# Altium PCB PCB.PcbDoc
Units mm, origin at the board's own origin, x right, y up, seen from the top; angles counter-clockwise.
Board outline 65 x 50 mm, 2 copper layers (Top Layer, Bottom Layer); 104 components, 73 nets, 355 pads, 371 vias.
Unrouted connection lines stored in the file: 2.
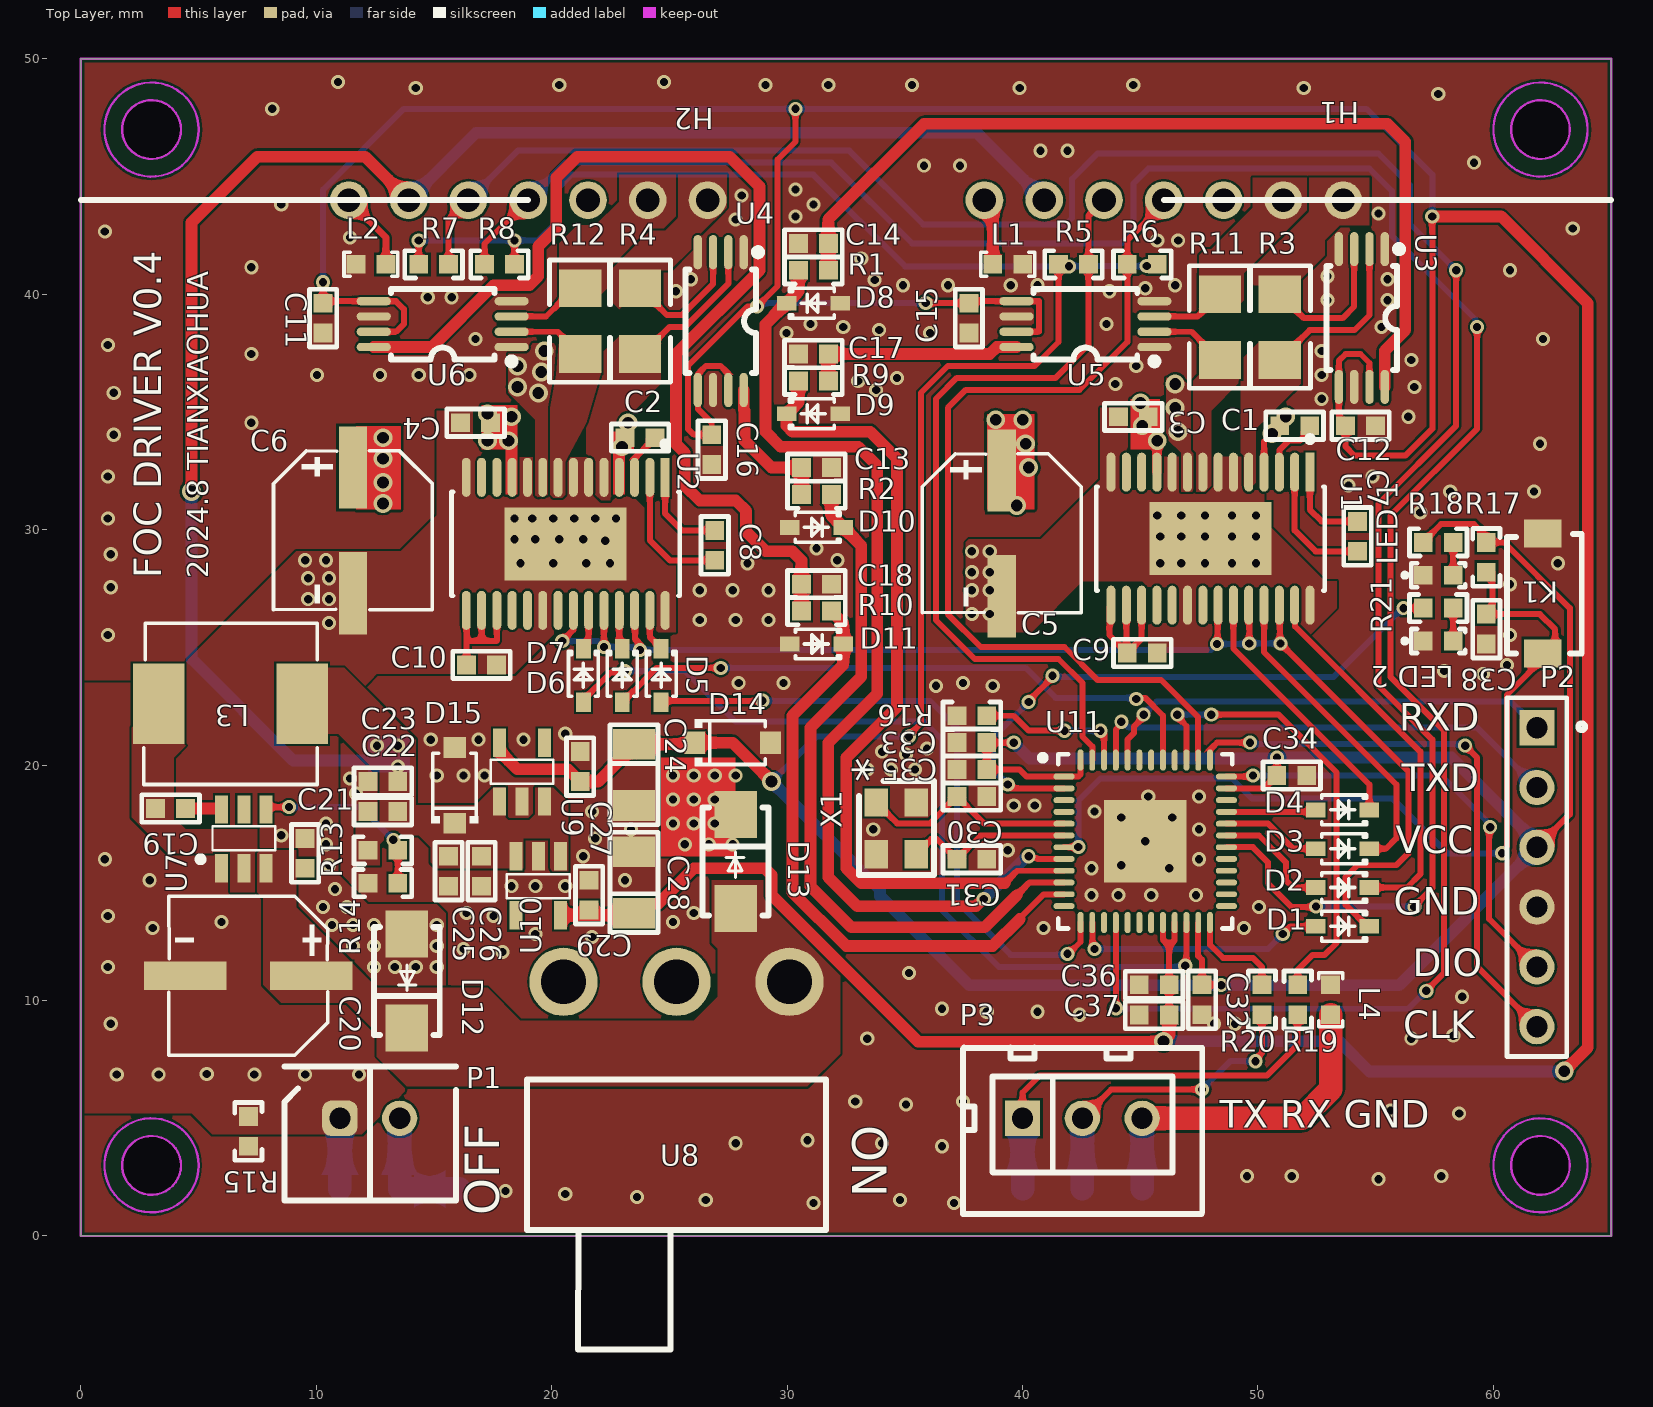
[diagram p0: Top Layer view]
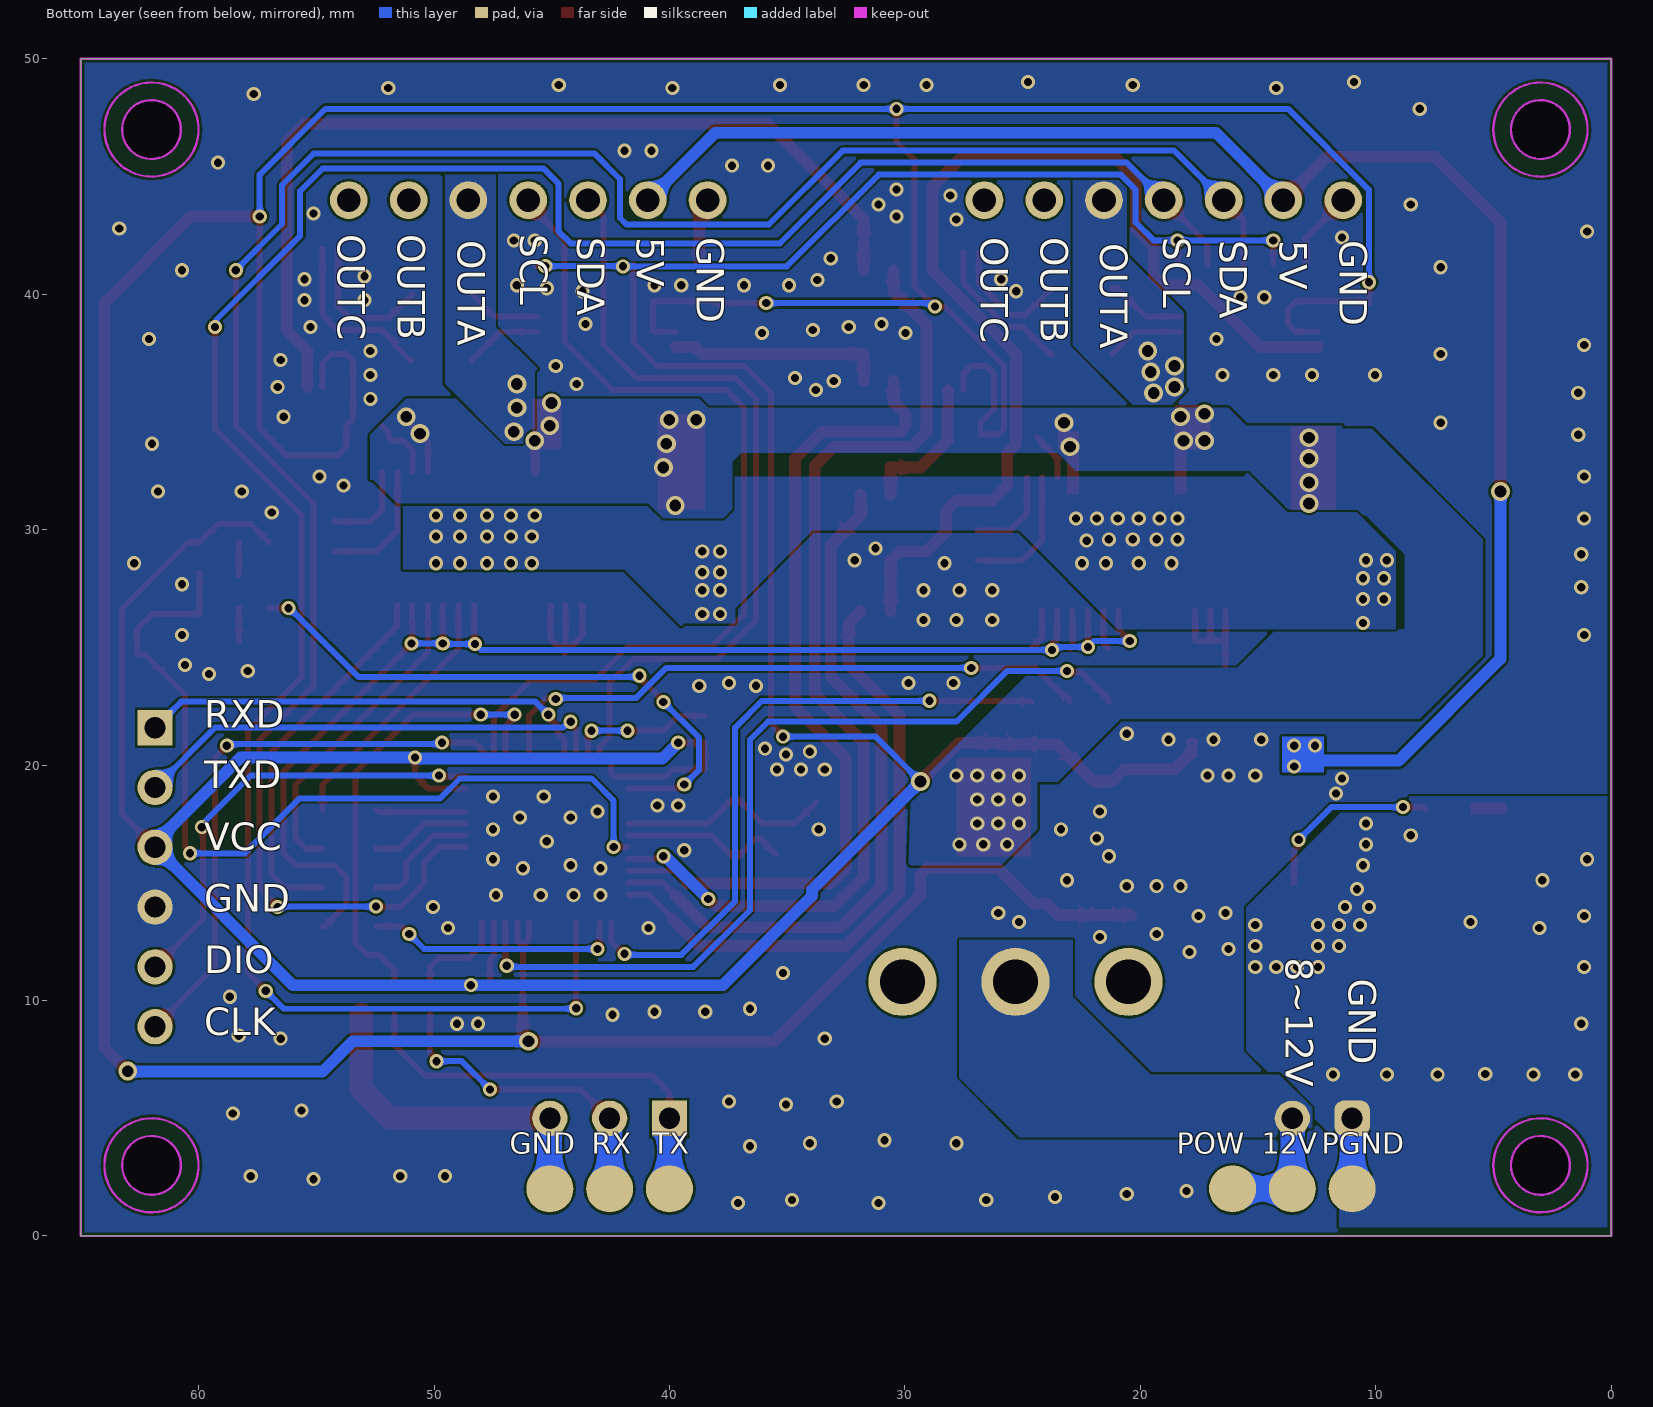
[diagram p1: Bottom Layer view, seen from below]

## Layer stack, top to bottom
Top Solder: solder mask 0.0102, Solder Resist, Dk 3.5
Top Layer: signal copper 0.0356
Dielectric 1: dielectric 0.32, FR-4, Dk 4.8
Bottom Layer: signal copper 0.0356
Bottom Solder: solder mask 0.0102, Solder Resist, Dk 3.5

## Board outline
0,0 0,50 65,50 65,0
cut-out: 60.75,47 ccw(c62,47) 62,45.75 ccw(c62,47) 63.25,47 ccw(c62,47) 62,48.25 ccw(c62,47)
cut-out: 60.75,3 ccw(c62,3) 62,1.75 ccw(c62,3) 63.25,3 ccw(c62,3) 62,4.25 ccw(c62,3)
cut-out: 60.75,3 ccw(c62,3) 62,1.75 ccw(c62,3) 63.25,3 ccw(c62,3) 62,4.25 ccw(c62,3)
cut-out: 60.75,3 ccw(c62,3) 62,1.75 ccw(c62,3) 63.25,3 ccw(c62,3) 62,4.25 ccw(c62,3)
cut-out: 1.75,3 ccw(c3,3) 3,1.75 ccw(c3,3) 4.25,3 ccw(c3,3) 3,4.25 ccw(c3,3)
cut-out: 1.75,47 ccw(c3,47) 3,45.75 ccw(c3,47) 4.25,47 ccw(c3,47) 3,48.25 ccw(c3,47)

## Design rules (kind name [scope] priority, off if disabled: settings)
Clearance [All] p1: gap=0.1 ignorepadtopadclearanceinfootprint=FALSE except(0: Arc-Hole Track-Hole SMDPad-Hole THPad-Hole Via-Hole Fill-Hole Poly-Hole Region-Hole Text-Hole; 0.102: Arc-Arc Arc-Track Arc-SMDPad Arc-THPad Track-Track Track-SMDPad Track-THPad SMDPad-SMDPad SMDPad-THPad THPad-THPad; 0.127: Arc-Via Track-Via SMDPad-Via SMDPad-Text THPad-Via Via-Via; 0.254: Arc-Text Track-Text THPad-Text Via-Text Fill-Text Poly-Text Region-Text Text-Text)
HoleSize [All] p1: absolutevalues=TRUE maxlimit=30 minlimit=0.025 maxpercent=80.000 minpercent=20.000
HoleToHoleClearance [All] p1: gap=0.152 allowstackedmicrovias=TRUE
MinimumSolderMaskSliver [All] p1: minsoldermaskwidth=0
PlaneClearance [All] p1: clearance=0.254
PlaneConnect [All] p1: planeconnectstyle=Direct reliefexpansion=0.508 reliefentries=4 reliefconductorwidth=0.254 reliefairgap=0.254
PolygonConnect [All] p1: connectstyle=Direct reliefconductorwidth=0.254 reliefentries=4 polygonreliefangle="90 Angle" airgapwidth=0.254
RoutingVias [All] p1: holewidth=0.711 width=1.27 viastyle="Through Hole" minholewidth=0.3 minwidth=0.5 maxholewidth=30 maxwidth=30
SilkToSilkClearance [All] p1: silktosilkclearance=0
SilkToSolderMaskClearance [IsPad] p1: minsilkscreentomaskgap=0 clearancetoexposedcopper=TRUE
SolderMaskExpansion [All] p1: expansion=0.102 istentingtop=FALSE
Width [All] p1: maxlimit=3 minlimit=0.1 preferedwidth=0.254
23 further rules are at their usual default settings.

## Classes and differential pairs
component class Sheet0-MCU: C30 C31 C32 C33 C34 C35 C36 C37 C38 GND K1 L4 "LED 1" "LED 2" P2 P3 R16 R17 R18 R19 R20 R21 RX TX U11 X1
component class Sheet2-power: 12V C19 C20 C21 C22 C23 C24 C25 C26 C27 C28 C29 D12 D13 D14 D15 L3 P1 PGND POW R13 R14 R15 U7 U8 U9 U10
component class Sheet1-driver: C1 C2 C3 C4 C5 C6 C7 C8 C9 C10 C11 C12 C13 C14 C15 C16 C17 C18 D1 D2 D3 D4 D5 D6 D7 D8 D9 D10 D11 H1 H2 L1 L2 R1 R2 R3 R4 R5 R6 R7 R8 R9 R10 R11 R12 U1 U2 U3 U4 U5 U6

## Components (designator, comment, footprint, x,y, rotation, side; value= is the part's Value field where it differs from the comment)
12V "test" test#1 13.716,1.905 r180 bottom
C1 "100nF" CC1608-0603 51.562,34.417 r180 top
C2 "100nF" CC1608-0603 23.749,33.909 r180 top
C3 "100NF 50V" CC1608-0603 44.704,34.798 r180 top
C4 "100NF 50V" CC1608-0603 16.764,34.544 r180 top
C5 "35V 100uF" CAP-SMD_D6.3 39.116,29.845 r270 top
C6 "35V 100uF" CAP-SMD_D6.3 11.557,29.972 r270 top locked
C7 "0.01uF" CC1608-0603 54.229,29.718 r90 top
C8 "0.01uF" CC1608-0603 26.924,29.337 r90 top
C9 "0.47UF" CC1608-0603 45.085,24.765 r0 top
C10 "0.47UF" CC1608-0603 17.018,24.257 r0 top
C11 "100nF" CC1608-0603 10.287,38.989 r270 top
C12 "100nF" CC1608-0603 54.356,34.417 r0 top
C13 "2.2nF" CC1608-0603 31.242,32.639 r180 top
C14 "2.2nF" CC1608-0603 31.115,42.164 r0 top
C15 "100nF" CC1608-0603 37.719,38.989 r270 top
C16 "100nF" CC1608-0603 26.797,33.401 r270 top
C17 "2.2nF" CC1608-0603 31.115,37.465 r0 top
C18 "2.2nF" CC1608-0603 31.242,27.686 r180 top
C19 "100nF" CC1608-0603 3.81,18.161 r180 top
C20 "35V 100uF" CAP-SMD_D6.3 7.109,11.049 r180 top
C21 "100NF 50V" CC1608-0603 9.525,16.256 r270 top
C22 "22uf" CC1608-0603 12.827,18.034 r0 top
C23 "22uf" CC1608-0603 12.827,19.304 r0 top
C24 "22uF" TAN-A-1206 23.495,19.621 r270 top
C25 "2.2uf" CC1608-0603 15.621,15.494 r90 top
C26 "100nF" CC1608-0603 17.018,15.494 r90 top
C27 "100NF" CC1608-0603 21.209,19.939 r90 top
C28 "22uF" TAN-A-1206 23.495,14.986 r90 top
C29 "100NF" CC1608-0603 21.59,14.478 r90 top
C30 "20pF" CC1608-0603 37.846,18.669 r180 top
C31 "20pF" CC1608-0603 37.846,16.002 r180 top
C32 "100NF" CC1608-0603 47.625,10.033 r90 top
C33 "100NF" CC1608-0603 37.846,20.955 r0 top
C34 "100NF" CC1608-0603 51.435,19.558 r180 top
C35 "100NF" CC1608-0603 37.846,19.812 r0 top
C36 "100NF" CC1608-0603 45.593,10.668 r0 top
C37 "1uF" CC1608-0603 45.593,9.388 r0 top
C38 "1UF" CC1608-0603 59.7,25.781 r90 top
D1 "1N4148" SOD-323 53.594,13.155 r180 top
D2 "1N4148" SOD-323 53.594,14.802 r180 top
D3 "1N4148" SOD-323 53.594,16.45 r180 top
D4 "1N4148" SOD-323 53.594,18.098 r180 top
D5 "1N4148" SOD-323 24.648,23.812 r270 top
D6 "1N4148" SOD-323 22.997,23.812 r270 top
D7 "1N4148" SOD-323 21.346,23.812 r270 top
D8 "PESD3V3L1BA" SOD-323 31.115,39.624 r0 top
D9 "PESD3V3L1BA" SOD-323 31.115,34.925 r0 top
D10 "PESD3V3L1BA" SOD-323 31.242,30.099 r180 top
D11 "PESD3V3L1BA" SOD-323 31.245,25.146 r180 top
D12 "SMBJ24A" "DO-214 AA" 13.843,10.827 r90 top
D13 "SS34" "DO-214 AA" 27.813,15.907 r270 top
D14 "SMFJ5.0A" SOD-123 27.686,20.955 r0 top
D15 "SMFJ5.0A" SOD-123 15.875,19.136 r90 top
GND "test" test#2 45.339,1.778 r180 bottom
H1 "Header_7P_Curved" HEADER_2_54_7PW 53.62,44 r180 top locked
H2 "Header_7P_Curved" HEADER_2_54_7PW 26.62,44 r180 top locked
K1 "KEY 3*4" "KEY 3*4" 62.103,24.745 r90 top
L1 "68nH 200mA" Inductor-0603 39.37,41.275 r0 top
L2 "68nH 200mA" Inductor-0603 12.319,41.275 r180 top
L3 "15uH" Inductor-0630 6.35,22.606 r180 top locked
L4 "68nH 200mA" Inductor-0603 53.086,10.033 r90 top
"LED 1" "LED 0603" "LED 0603" 57.658,28.067 r180 top
"LED 2" "LED 0603" "LED 0603" 57.658,25.273 r180 top
P1 "Header 2" HX2.54-2 11,5 r0 top
P2 "Header 6" HDR1X6 61.849,21.59 r270 top
P3 "Header 3" HX2.54-3 40,5 r0 top
PGND "test" test#3 9.779,2.032 r180 bottom
POW "test" test#4 16.08,2 r180 bottom
R1 "22R" CR1608-0603 31.115,41.021 r0 top
R2 "22R" CR1608-0603 31.242,31.496 r180 top
R3 "0.01R" CR3216-1206 50.927,38.608 r270 top
R4 "0.01R" CR3216-1206 23.749,38.862 r270 top
R5 "4.7k/NC" CR1608-0603 42.164,41.275 r180 top
R6 "4.7k/NC" CR1608-0603 45.085,41.275 r0 top
R7 "4.7k/NC" CR1608-0603 14.986,41.275 r180 top
R8 "4.7k/NC" CR1608-0603 17.78,41.275 r0 top
R9 "22R" CR1608-0603 31.115,36.322 r0 top
R10 "22R" CR1608-0603 31.242,26.543 r180 top
R11 "0.01R" CR3216-1206 48.387,38.608 r270 top
R12 "0.01R" CR3216-1206 21.209,38.862 r270 top
R13 "100K 1%" CR1608-0603 12.827,16.383 r180 top
R14 "13.3K 1%" CR1608-0603 12.827,14.986 r0 top
R15 "0R" CR1608-0603 7.112,4.445 r90 top
R16 "10KR" CR1608-0603 37.846,22.098 r0 top
R17 "10K" CR1608-0603 59.7,28.829 r90 top
R18 "2K" CR1608-0603 57.658,29.464 r180 top
R19 "22R" CR1608-0603 51.689,10.033 r270 top
R20 "22R" CR1608-0603 50.165,10.033 r270 top
R21 "2K" CR1608-0603 57.658,26.67 r180 top
RX "test" test#5 42.418,1.651 r180 bottom
TX "test" test#6 39.497,1.27 r180 bottom
U1 "DRV8313PWPR" HTSSOP-28 47.982,29.622 r270 top
U2 "DRV8313PWPR" HTSSOP-28 20.594,29.4 r270 top
U3 "INA240A1PWR" TSSOP-8 54.412,38.995 r180 top
U4 "INA240A1PWR" TSSOP-8 27.178,38.862 r180 top locked
U5 "INA240A1PWR" TSSOP-8 42.672,38.735 r90 top
U6 "INA240A1PWR" TSSOP-8 15.367,38.735 r90 top locked
U7 "TPS54202DDCR" SOT23-6 6.858,16.891 r0 top
U8 "HX SS12D10G4" SW-TH_3P-SS12D06 25.299,10.795 r0 top locked
U9 "SPX3819M5-L-3.3/TR" SOT23-5 19.69,18.455 r180 top
U10 "SPX3819M5-L-3.3/TR" SOT23-5 18.476,16.129 r0 top
U11 "STM32G431CBU6" UFQFPN48_N 45.212,16.764 r0 top
X1 "3225_24M" XTAL-3225 35.482,18.415 r270 top

## Footprints (in the part's own frame and the unit in brackets; to place one, negate y for a bottom-side part, rotate by r counter-clockwise, add the part's x,y. Pads: shape width x height; smd on the part's side, far side on the other; paste and mask are expansions set on the pad)
CAP-SMD_D6.3 [mm] "直径6.3mm固态电容"
  rect 3.5x1.2 smd paste+0 mask+0.051: 1(-2.67,0) 2(2.67,0)
  silkscreen extent -3.38,-3.38 3.38,3.38, body extent -3.65,-3.3 3.65,3.3, height 5.9
CC1608-0603 [mm]
  rect 0.8x0.8 smd: 1(-0.635,0) 2(0.635,0)
  silkscreen extent -1.23,-0.58 1.23,0.58, body extent -0.8,-0.4 0.8,0.4, height 0.3
CR1608-0603 [mm]
  rect 0.8x0.8 smd: 1(-0.635,0) 2(0.635,0)
  silkscreen extent -1.23,-0.58 1.23,0.58, body extent -0.8,-0.4 0.8,0.4, height 0.45
CR3216-1206 [mm]
  rect 1.6x1.8 smd: 1(-1.4,0) 2(1.4,0)
  silkscreen extent -2.6,-1.3 2.6,1.3, body extent -1.6,-0.8 1.6,0.8, height 0.6
"DO-214 AA" [mm] "SMB"
  rect 2x1.8 smd: 1(-2,0) 2(2,0)
  silkscreen extent -2.3,-1.4 2.3,1.4, body extent -2.83,-1.8 2.57,1.8, height 2.4
HDR1X6 [mm] "Connector; Header; 6 Position"
  rect 1.5x1.5 hole 0.9: 1(0,0)
  round 1.5 hole 0.9: 2(2.54,0) 3(5.08,0) 4(7.62,0) 5(10.16,0) 6(12.7,0)
  silkscreen extent -1.27,-1.27 13.97,2.04, body extent -1.27,-1.27 13.97,1.27, height 8.54
HEADER_2_54_7PW [mm] "6P弯针"
  round 1.6 hole 1: 1(0,0) 2(2.54,0) 3(5.08,0) 4(7.62,0) 5(10.16,0) 6(12.7,0) 7(15.24,0)
  body extent -2.54,-7.48 17.78,0.37, height 5.8
HTSSOP-28 [mm]
  rect 1.655x0.381 smd paste+0 mask+0: 1(-2.825,4.225)
  rrect100% 1.655x0.381 smd paste+0 mask+0: 2(-2.825,3.575) 3(-2.825,2.925) 4(-2.825,2.275) 5(-2.825,1.625) 6(-2.825,0.975) 7(-2.825,0.325) 8(-2.825,-0.325) 9(-2.825,-0.975) 10(-2.825,-1.625) 11(-2.825,-2.275) 12(-2.825,-2.925) 13(-2.825,-3.575) 14(-2.825,-4.225) 15(2.825,-4.225) 16(2.825,-3.575) 17(2.825,-2.925) 18(2.825,-2.275) 19(2.825,-1.625) 20(2.825,-0.975) 21(2.825,-0.325) 22(2.825,0.325) 23(2.825,0.975) 24(2.825,1.625) 25(2.825,2.275) 26(2.825,2.925) 27(2.825,3.575) 28(2.825,4.225)
  rect 3.1x5.18 smd paste-1000 mask+0: 29(0,0)
  silkscreen extent -4.35,-4.85 2.2,4.85, body extent -3.9,-5.1 3.9,5.1, height 0.25
HX2.54-2 [mm] "两针白色插座（已加焊）"
  rrect50% 1.5x1.5 hole 0.9: 1(0,0)
  round 1.5 hole 0.9: 2(2.54,0)
  silkscreen extent -2.36,-3.5 4.94,2.2, body extent -2.48,-3.55 5.02,2.45, height 7
HX2.54-3 [mm]
  rect 1.5x1.5 hole 0.9: 1(0,0)
  round 1.5 hole 0.9: 2(2.54,0) 3(5.08,0)
  silkscreen extent -2.54,-4.06 7.63,3, body extent -2.41,-3.58 7.59,2.42, height 7
Inductor-0603 [mm]
  rect 0.8x0.8 smd: 1(-0.635,0) 2(0.635,0)
  silkscreen extent -1.14,-0.51 1.14,0.51, body extent -0.8,-0.43 0.8,0.43, height 0.48
Inductor-0630 [mm]
  rect 2.194x3.42 smd paste+0 mask+0.051: 1(3.048,0) 2(-3.048,0)
  silkscreen extent -3.68,-3.43 3.68,3.43, body extent -3.5,-3.3 3.5,3.3, height 2.8
"KEY 3*4" [mm]
  rect 1.2x1.6 smd: 1(0,0) 2(5.1,0)
  silkscreen extent 0,-1.65 5.08,1.52, body extent 0.25,-1.71 4.7,1.46, height 2.01
"LED 0603" [mm]
  rect 0.8x0.8 smd: 1(-0.635,0) 2(0.635,0)
  silkscreen extent -1.14,-0.51 1.48,0.51, body extent -0.8,-0.4 0.8,0.4, height 0.6
SOD-123 [mm]
  rect 0.88x0.96 smd: 1(-1.61,0) 2(1.61,0)
  silkscreen extent -1.6,-1 1.38,1, body extent -1.9,-0.8 1.8,0.8, height 1.32
SOD-323 [mm]
  rect 0.83x0.63 smd paste+0 mask+0.05: 1(-1.14,0) 2(1.14,0)
  silkscreen extent -1.02,-0.64 0.89,0.64, body extent -1.27,-0.68 1.33,0.68, height 1.1
SOT23-5 [mm] "适用于MIC5205"
  rect 0.55x1.2 smd: 1(1.905,0) 2(0.955,0) 3(0.005,0) 4(0.005,-2.5) 5(1.905,-2.5)
  silkscreen extent -0.38,-1.78 2.29,-0.76, body extent -0.6,-2.82 2.5,0.38, height 1.45
SOT23-6 [mm]
  rect 0.55x1.2 smd: 1(-0.889,-1.27) 2(0.061,-1.27) 3(1.011,-1.27) 4(1.011,1.23) 5(0.061,1.23) 6(-0.889,1.23)
  silkscreen extent -1.9,-1.02 1.4,0.51, body extent -1.39,-1.4 1.51,1.4, height 1.45
SW-TH_3P-SS12D06 [mm]
  round 2.9 hole 1.9 paste+0 mask+0.051: 1(-4.8,0) 2(0,0) 3(4.8,0)
  silkscreen extent -6.35,-15.62 6.35,-4.15, body extent -6.35,-15.68 6.35,-4.19, height 6.7
TAN-A-1206 [mm]
  rect 1.3x1.8 smd: 1(-1.27,0) 2(1.333,0)
  silkscreen extent -2.1,-1.02 2.16,1.02, body extent -1.66,-0.8 1.54,0.8, height 1.6
test#1 [mm]
  round 2 smd: 0(0.176,0.095)
test#2 [mm]
  round 2 smd: 0(0.259,0.222)
test#3 [mm]
  round 2 smd: 0(-1.221,-0.032)
test#4 [mm]
  round 2 smd: 0(0,0)
test#5 [mm]
  round 2 smd: 0(-0.122,0.349)
test#6 [mm]
  round 2 smd: 0(-0.503,0.73)
TSSOP-8 [mm]
  oval 0.353x1.454 smd: 1(-0.975,-2.927) 2(-0.325,-2.927) 3(0.325,-2.927) 4(0.975,-2.927) 5(0.975,2.927) 6(0.325,2.927) 7(-0.325,2.927) 8(-0.975,2.927)
  silkscreen extent -1.73,-3.08 1.5,2.2, body extent -1.43,-3.17 1.57,3.11, height 1.09
UFQFPN48_N [mm] "QFN, 48-Leads, Body 7.1x7.1mm, Pitch 0.5mm, Thermal Pad 5.6x5.6mm, IPC Medium Density"
  oval 0.9x0.25 smd: 1(-3.45,2.75) 2(-3.45,2.25) 3(-3.45,1.75) 4(-3.45,1.25) 5(-3.45,0.75) 6(-3.45,0.25) 7(-3.45,-0.25) 8(-3.45,-0.75) 9(-3.45,-1.25) 10(-3.45,-1.75) 11(-3.45,-2.25) 12(-3.45,-2.75) 25(3.45,-2.75) 26(3.45,-2.25) 27(3.45,-1.75) 28(3.45,-1.25) 29(3.45,-0.75) 30(3.45,-0.25) 31(3.45,0.25) 32(3.45,0.75) 33(3.45,1.25) 34(3.45,1.75) 35(3.45,2.25) 36(3.45,2.75)
  oval 0.25x0.9 smd: 13(-2.75,-3.45) 14(-2.25,-3.45) 15(-1.75,-3.45) 16(-1.25,-3.45) 17(-0.75,-3.45) 18(-0.25,-3.45) 19(0.25,-3.45) 20(0.75,-3.45) 21(1.25,-3.45) 22(1.75,-3.45) 23(2.25,-3.45) 24(2.75,-3.45) 37(2.75,3.45) 38(2.25,3.45) 39(1.75,3.45) 40(1.25,3.45) 41(0.75,3.45) 42(0.25,3.45) 43(-0.25,3.45) 44(-0.75,3.45) 45(-1.25,3.45) 46(-1.75,3.45) 47(-2.25,3.45) 48(-2.75,3.45)
  rect 3.5x3.5 smd: 49(0,0)
  silkscreen extent -4.47,-3.7 3.7,3.7, body extent -3.5,-3.5 3.5,3.5, height 0.55
XTAL-3225 [mm]
  rect 1.2x1 smd: 1(0,-1.7) 2(2.2,-1.7) 3(2.2,0) 4(0,0)
  silkscreen extent -0.91,-2.44 3.07,0.76, body extent -0.43,-2.15 2.77,0.35, height 0.61

## Part data
12V GND PGND POW RX TX: "测试点"
C1 C2 C3 C4 C7 C8 C9 C10 C11 C12 C13 C14 C15 C16 C17 C18 C19 C21 C22 C23 C25 C26 C30 C31 C32 C33 C34 C35 C36 C37 C38: library part "Cap Chip 0603", "0603封装的电容", Published=8-Jun-2000, Publisher="Altium Limited", Revision="July-2002: Re-released for DXP Platform."
C5 C6 C20: library part "Cap ECAP SMD", "铝点解电容", BOM_Manufacturer=PANASONIC, BOM_Manufacturer Part=EEEFP1C681AP, BOM_Supplier=LCSC, BOM_Supplier Part=C413527, Contributor=LCSC, nameAlias=Capacitance, spicePre=C, spiceSymbolName=EEEFP1C681AP
C24 C28: library part "CAP TAN-A-1206", "钽电容"
C27 C29: library part "Chip capacitor", "贴片电容"
D1 D2 D3 D4 D5 D6 D7: "1N5819 SOD-323封装 小体积SS14 印S4 肖特基二极管"
D8 D9 D10 D11: "SOD-323 3.3V 双向ESD防静电二极管保护芯片", JLCPCB Part Class="Extended Part", Manufacturer=MDD, Manufacturer Part=SMAJ6.5CA, spicePre=D, spiceSymbolName=SMAJ6.5CA-C110041, Supplier=LCSC, Supplier Part=C110041
D12: library part SMBJ18A, "TVS稳压二极管"
D13: "肖特基二极管"
D14 D15: "5V单向贴片TVS瞬变抑制二极管"
H1 H2: "弯的6P排针"
K1: "轻触开关按键"
L1 L2 L4: library part Inductor-0603, "贴片电感 0603封装"
L3: library part Inductor-0630, "贴片电感 0630封装"
P1: "Header, 2-Pin", LatestRevisionDate=17-Jul-2002, LatestRevisionNote="Re-released for DXP Platform.", Publisher="Altium Limited"
P2: "Header, 6-Pin", LatestRevisionDate=17-Jul-2002, LatestRevisionNote="Re-released for DXP Platform.", Publisher="Altium Limited"
P3: "Header, 3-Pin", LatestRevisionDate=17-Jul-2002, LatestRevisionNote="Re-released for DXP Platform.", Publisher="Altium Limited"
R1 R2 R5 R6 R7 R8 R9 R10 R13 R14 R15 R16 R17 R18 R19 R20 R21: library part "Resistor Chip 0603", "0603封装电阻", Published=8-Jun-2000, Publisher="Altium Limited", Revision="July-2002: Re-released for DXP Platform."
R3 R4 R11 R12: library part "Resistor Chip 1206", "1206封装电阻", Published=8-Jun-2000, Publisher="Altium Limited", Revision="July-2002: Re-released for DXP Platform."
U1 U2: library part DRV8313, "独立控制的半 H 桥驱动器,主要用于驱动一个三项无刷电机IC MOTOR DRIVER 8V-60V 28HTSSOP", Case/Package=HTSSOP, Max Operating Temperature=125°C, Max Supply Voltage=60V, Min Operating Temperature=-40°C, Min Supply Voltage=8V, Output Current=1.75A, Package Quantity=2000, Interface=Parallel, Lead Free="Lead Free", Logic Function="AND GATE", Mount="Surface Mount", Number of Outputs=1, Number of Pins=28, Packaging="Tape and Reel", Series=-
U3 U4 U5 U6: "超精密电流检测放大器"
U7: "同步降压转换器芯片 500Khz 4.2~28V输入，2A输出"
U8: library part SW-TH_3P-SS12D06, BOM_JLCPCB Part Class="Extended Part", BOM_Manufacturer=hanxia(韩下), BOM_Manufacturer Part="HX SS12D10G4", BOM_Supplier=LCSC, BOM_Supplier Part=C5149841, Contributor=lcsc, link=https://atta.szlcsc.com/upload/public/pdf/source/20220907/2020D7183ED16DD6E2B9F5A13FB144CF.pdf, spicePre=U, spiceSymbolName="HX SS12D10G4"
U9 U10: "LDO 3.3V , SOT-23-5 500ma"
U11: JLCPCB Part Class="Extended Part", Manufacturer=ST(意法半导体), Contributor=LCSC, Manufacturer Part=STM32G431CBU6, spicePre=U, spiceSymbolName=STM32G431CBU6, Supplier=LCSC, Supplier Part=C529356
X1: library part "XTAL 3225", "3225封装的晶振"

## Via types
v1: diameter 0.6, hole 0.35, Top Layer to Bottom Layer, 324 vias
v2: diameter 0.8, hole 0.5, Top Layer to Bottom Layer, 32 vias
v3: diameter 0.6, hole 0.35, Top Layer to Bottom Layer, tented both sides, 15 vias
